# KiCad board USB_panel.kicad_pcb
title: ULX3S USB extension; date: 2023-08-24; rev: V1.1; company: Intergalaktik d.o.o.
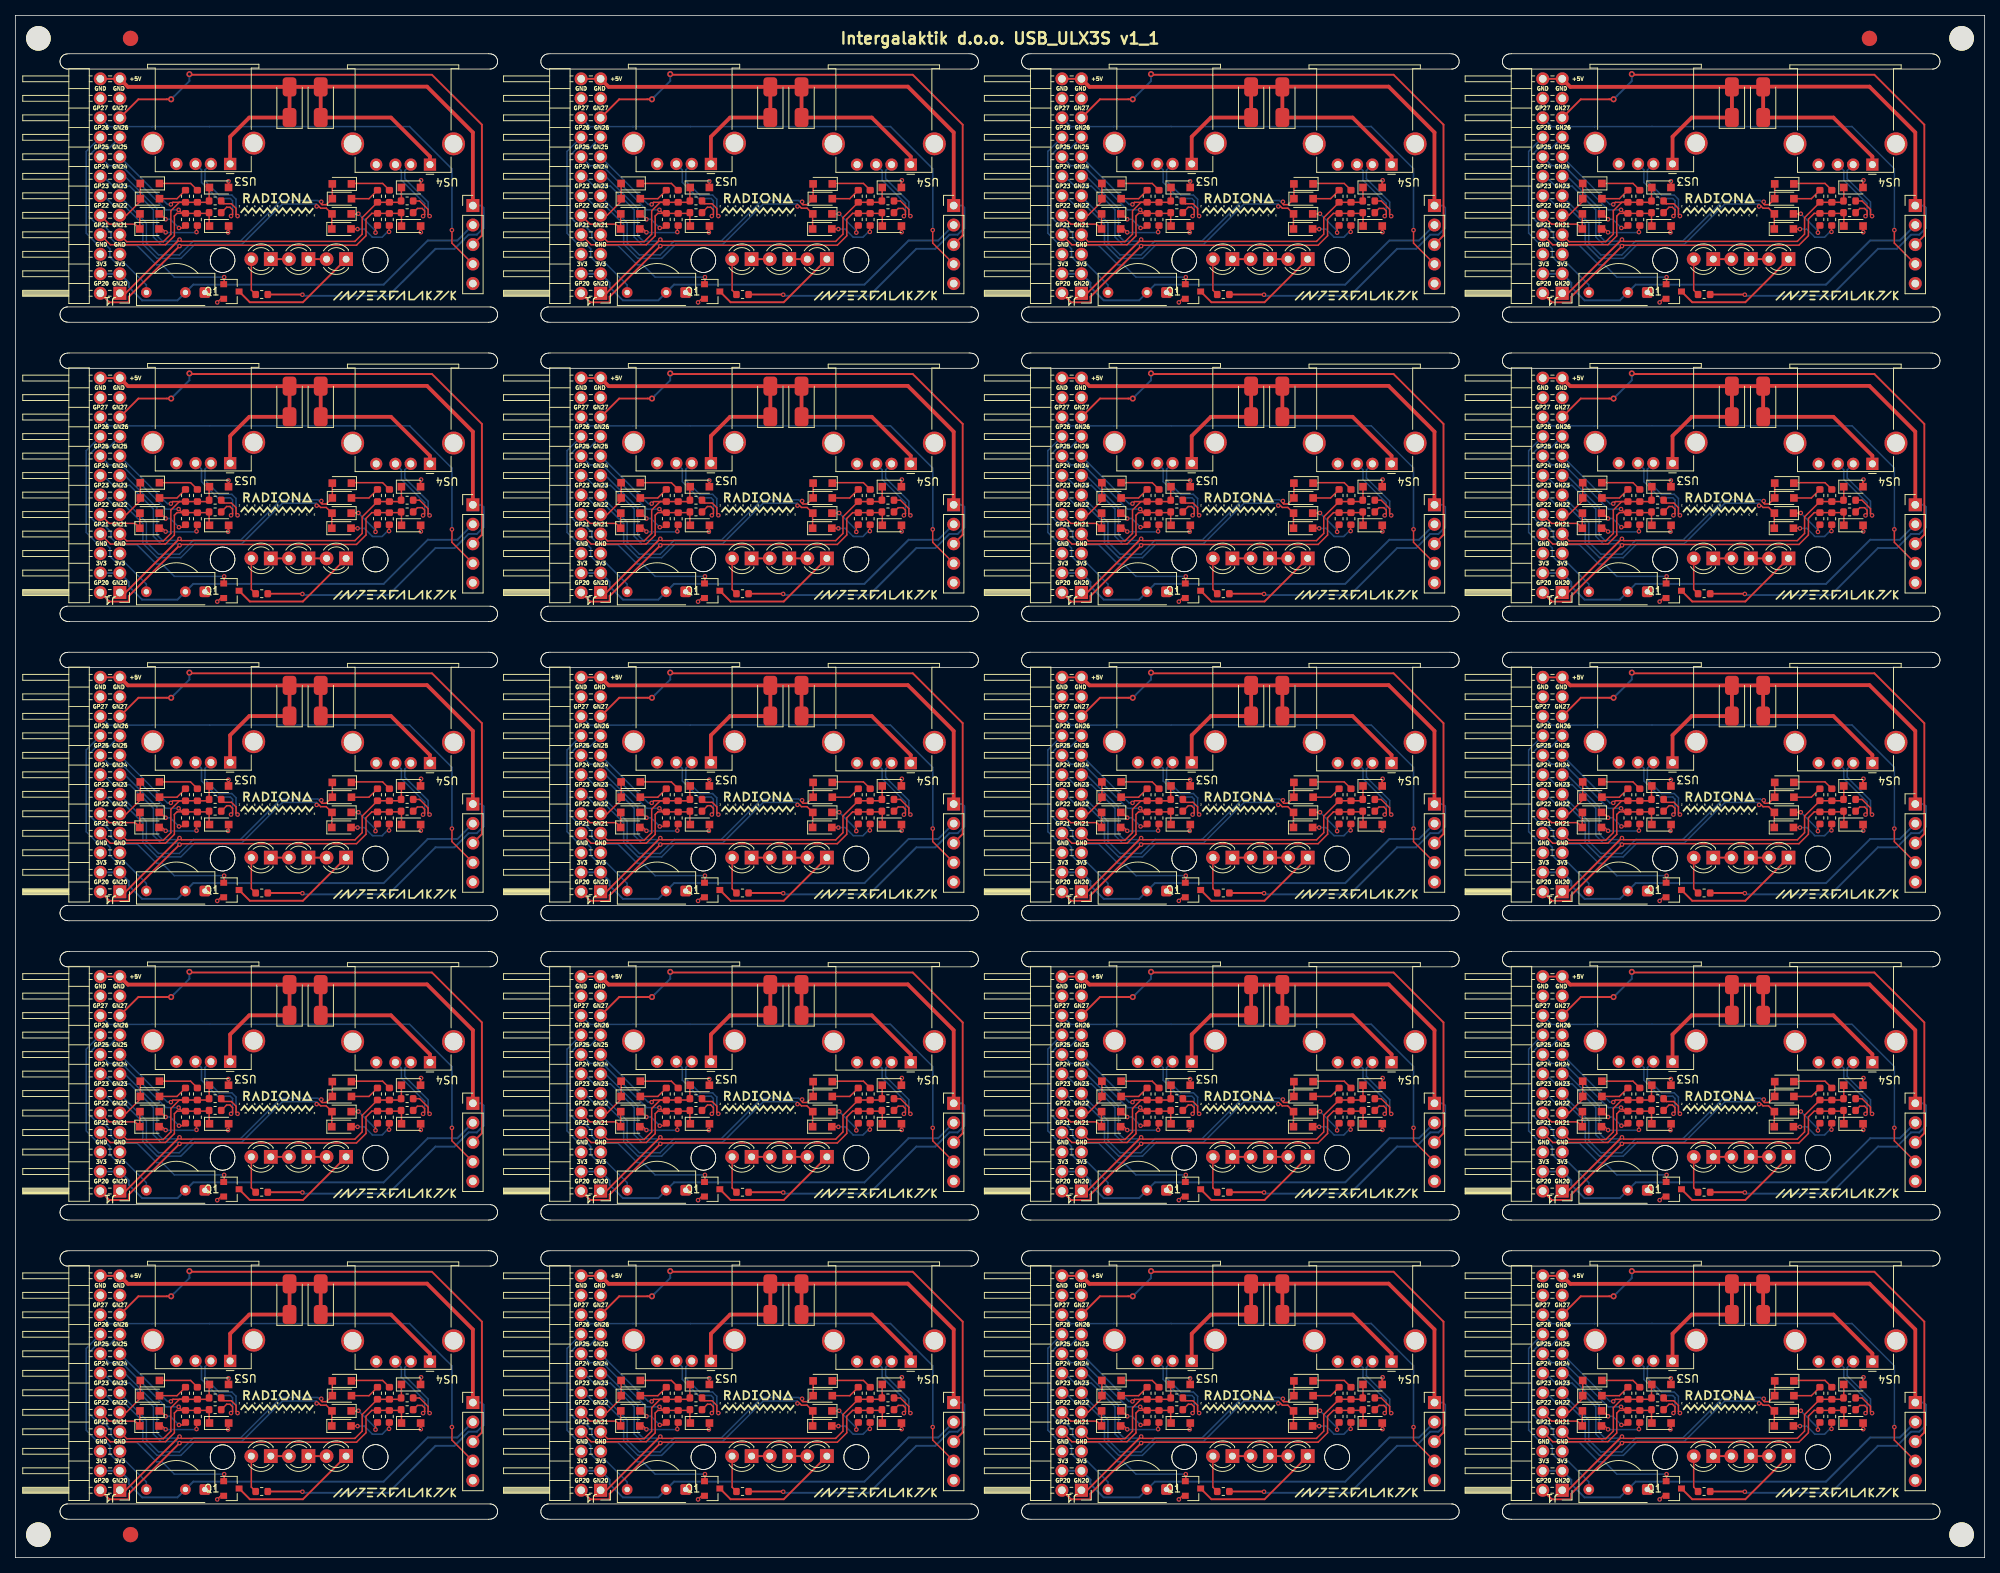
[diagram p0: board, top side]
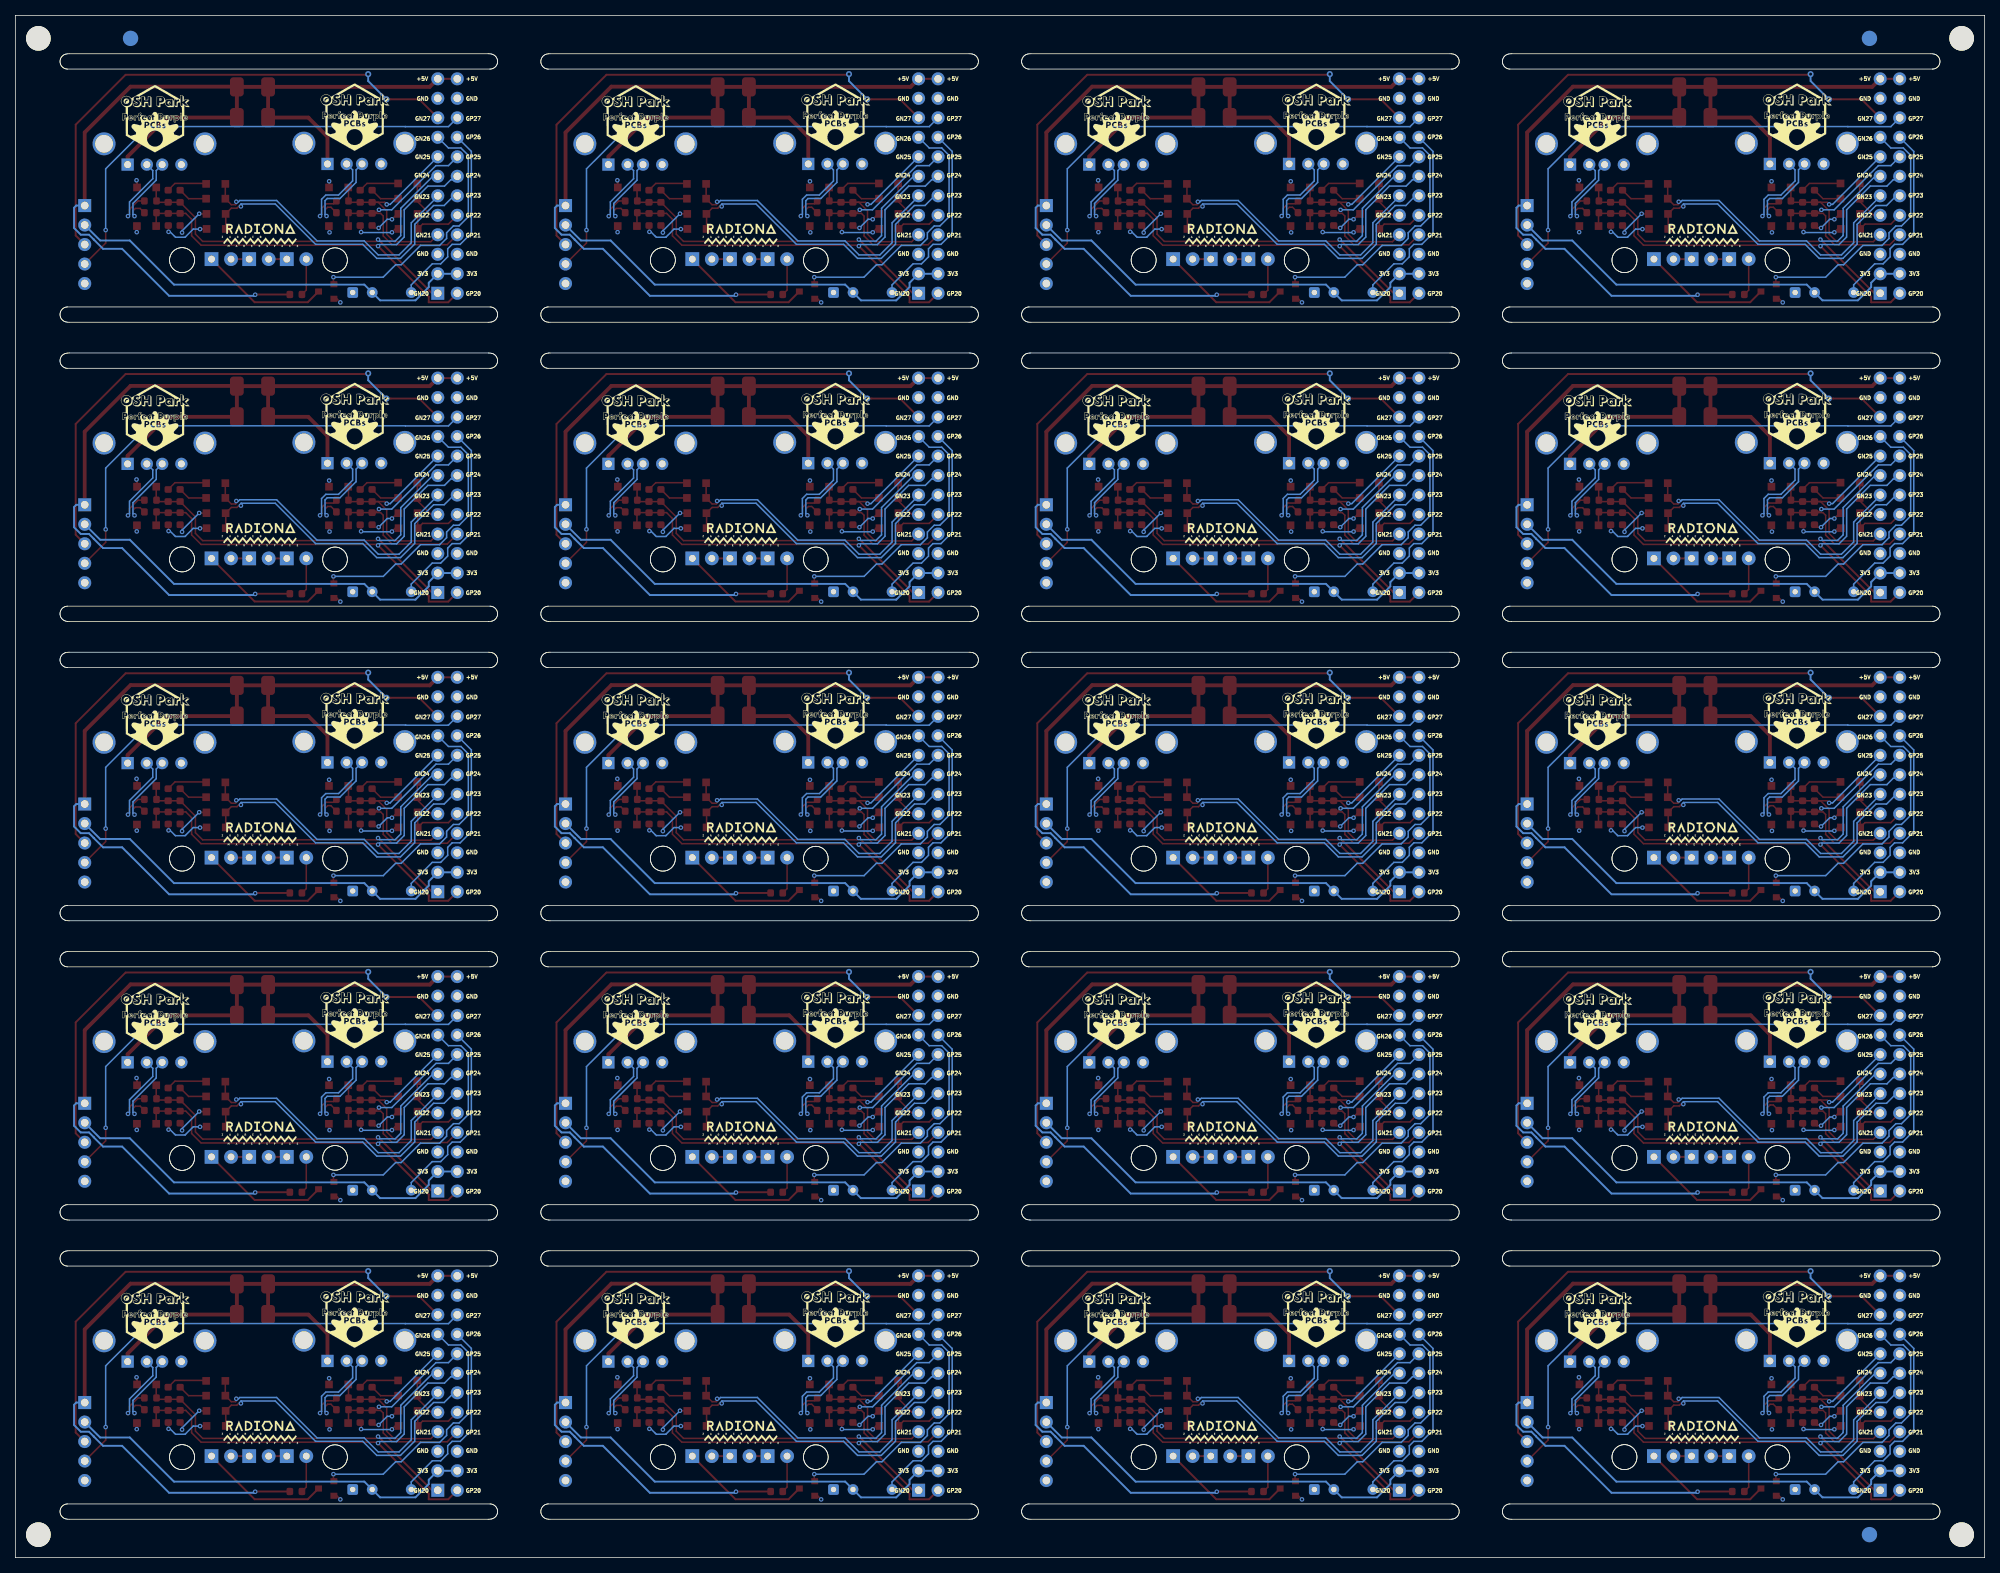
[diagram p1: board, bottom side, seen from below]

Outline 256.44 x 200.94 mm; copper layers: Top, In1.Cu, In2.Cu, Bottom. Coordinates in mm from the lower left corner of the outline.
Stack: Top 0.035mm / dielectric 0.1mm FR4 er 4.5 / In1.Cu 0.035mm / dielectric 1.24mm FR4 er 4.5 / In2.Cu 0.035mm / dielectric 0.1mm FR4 er 4.5 / Bottom 0.035mm

## Placement (name value [footprint] x y rotation side)
D1  1N914  [D_SOD-323_HandSoldering]  205.31 175.07 180 top
D1#2  1N914  [D_SOD-323_HandSoldering]  80.09 175.07 180 top
D1#3  1N914  [D_SOD-323_HandSoldering]  205.31 136.08 180 top
D1#4  1N914  [D_SOD-323_HandSoldering]  80.09 136.08 180 top
D1#5  1N914  [D_SOD-323_HandSoldering]  80.09 97.1 180 top
D1#6  1N914  [D_SOD-323_HandSoldering]  142.7 97.1 180 top
D1#7  1N914  [D_SOD-323_HandSoldering]  205.31 19.12 180 top
D1#8  1N914  [D_SOD-323_HandSoldering]  205.31 58.11 180 top
D1#9  1N914  [D_SOD-323_HandSoldering]  142.7 19.12 180 top
D1#10  1N914  [D_SOD-323_HandSoldering]  142.7 175.07 180 top
D1#11  1N914  [D_SOD-323_HandSoldering]  17.48 19.12 180 top
D1#12  1N914  [D_SOD-323_HandSoldering]  17.48 136.08 180 top
D1#13  1N914  [D_SOD-323_HandSoldering]  142.7 136.08 180 top
D1#14  1N914  [D_SOD-323_HandSoldering]  17.48 58.11 180 top
D1#15  1N914  [D_SOD-323_HandSoldering]  17.48 175.07 180 top
D1#16  1N914  [D_SOD-323_HandSoldering]  205.31 97.1 180 top
D1#17  1N914  [D_SOD-323_HandSoldering]  17.48 97.1 180 top
D1#18  1N914  [D_SOD-323_HandSoldering]  80.09 19.12 180 top
D1#19  1N914  [D_SOD-323_HandSoldering]  80.09 58.11 180 top
D1#20  1N914  [D_SOD-323_HandSoldering]  142.7 58.11 180 top
D2  1N914  [D_SOD-323_HandSoldering]  205.29 173.11 0 top
D2#2  1N914  [D_SOD-323_HandSoldering]  142.68 95.14 0 top
D2#3  1N914  [D_SOD-323_HandSoldering]  142.68 173.11 0 top
D2#4  1N914  [D_SOD-323_HandSoldering]  205.29 95.14 0 top
D2#5  1N914  [D_SOD-323_HandSoldering]  142.68 17.16 0 top
D2#6  1N914  [D_SOD-323_HandSoldering]  80.07 56.15 0 top
D2#7  1N914  [D_SOD-323_HandSoldering]  80.07 173.11 0 top
D2#8  1N914  [D_SOD-323_HandSoldering]  80.07 17.16 0 top
D2#9  1N914  [D_SOD-323_HandSoldering]  142.68 56.15 0 top
D2#10  1N914  [D_SOD-323_HandSoldering]  17.46 134.12 0 top
D2#11  1N914  [D_SOD-323_HandSoldering]  17.46 17.16 0 top
D2#12  1N914  [D_SOD-323_HandSoldering]  17.46 95.14 0 top
D2#13  1N914  [D_SOD-323_HandSoldering]  17.46 56.15 0 top
D2#14  1N914  [D_SOD-323_HandSoldering]  142.68 134.12 0 top
D2#15  1N914  [D_SOD-323_HandSoldering]  205.29 17.16 0 top
D2#16  1N914  [D_SOD-323_HandSoldering]  80.07 134.12 0 top
D2#17  1N914  [D_SOD-323_HandSoldering]  80.07 95.14 0 top
D2#18  1N914  [D_SOD-323_HandSoldering]  205.29 56.15 0 top
D2#19  1N914  [D_SOD-323_HandSoldering]  205.29 134.12 0 top
D2#20  1N914  [D_SOD-323_HandSoldering]  17.46 173.11 0 top
D3  1N914  [D_SOD-323_HandSoldering]  17.52 101.07 180 top
D3#2  1N914  [D_SOD-323_HandSoldering]  17.52 23.09 180 top
D3#3  1N914  [D_SOD-323_HandSoldering]  142.74 140.05 180 top
D3#4  1N914  [D_SOD-323_HandSoldering]  17.52 140.05 180 top
D3#5  1N914  [D_SOD-323_HandSoldering]  80.13 62.08 180 top
D3#6  1N914  [D_SOD-323_HandSoldering]  17.52 179.04 180 top
D3#7  1N914  [D_SOD-323_HandSoldering]  205.35 140.05 180 top
D3#8  1N914  [D_SOD-323_HandSoldering]  80.13 179.04 180 top
D3#9  1N914  [D_SOD-323_HandSoldering]  142.74 101.07 180 top
D3#10  1N914  [D_SOD-323_HandSoldering]  142.74 23.09 180 top
D3#11  1N914  [D_SOD-323_HandSoldering]  142.74 179.04 180 top
D3#12  1N914  [D_SOD-323_HandSoldering]  205.35 62.08 180 top
D3#13  1N914  [D_SOD-323_HandSoldering]  80.13 140.05 180 top
D3#14  1N914  [D_SOD-323_HandSoldering]  205.35 101.07 180 top
D3#15  1N914  [D_SOD-323_HandSoldering]  142.74 62.08 180 top
D3#16  1N914  [D_SOD-323_HandSoldering]  205.35 179.04 180 top
D3#17  1N914  [D_SOD-323_HandSoldering]  205.35 23.09 180 top
D3#18  1N914  [D_SOD-323_HandSoldering]  80.13 101.07 180 top
D3#19  1N914  [D_SOD-323_HandSoldering]  17.52 62.08 180 top
D3#20  1N914  [D_SOD-323_HandSoldering]  80.13 23.09 180 top
D4  1N914  [D_SOD-323_HandSoldering]  80.13 21.1 0 top
D4#2  1N914  [D_SOD-323_HandSoldering]  205.35 60.09 0 top
D4#3  1N914  [D_SOD-323_HandSoldering]  205.35 177.05 0 top
D4#4  1N914  [D_SOD-323_HandSoldering]  17.52 60.09 0 top
D4#5  1N914  [D_SOD-323_HandSoldering]  205.35 138.06 0 top
D4#6  1N914  [D_SOD-323_HandSoldering]  142.74 177.05 0 top
D4#7  1N914  [D_SOD-323_HandSoldering]  205.35 21.1 0 top
D4#8  1N914  [D_SOD-323_HandSoldering]  142.74 21.1 0 top
D4#9  1N914  [D_SOD-323_HandSoldering]  17.52 138.06 0 top
D4#10  1N914  [D_SOD-323_HandSoldering]  142.74 99.08 0 top
D4#11  1N914  [D_SOD-323_HandSoldering]  205.35 99.08 0 top
D4#12  1N914  [D_SOD-323_HandSoldering]  142.74 138.06 0 top
D4#13  1N914  [D_SOD-323_HandSoldering]  17.52 99.08 0 top
D4#14  1N914  [D_SOD-323_HandSoldering]  80.13 177.05 0 top
D4#15  1N914  [D_SOD-323_HandSoldering]  17.52 177.05 0 top
D4#16  1N914  [D_SOD-323_HandSoldering]  80.13 99.08 0 top
D4#17  1N914  [D_SOD-323_HandSoldering]  142.74 60.09 0 top
D4#18  1N914  [D_SOD-323_HandSoldering]  80.13 138.06 0 top
D4#19  1N914  [D_SOD-323_HandSoldering]  17.52 21.1 0 top
D4#20  1N914  [D_SOD-323_HandSoldering]  80.13 60.09 0 top
D5  3.6V  [D_SOD-323_HandSoldering]  26.53 95.51 0 top
D5#2  3.6V  [D_SOD-323_HandSoldering]  151.75 56.53 0 top
D5#3  3.6V  [D_SOD-323_HandSoldering]  26.53 134.5 0 top
D5#4  3.6V  [D_SOD-323_HandSoldering]  214.36 134.5 0 top
D5#5  3.6V  [D_SOD-323_HandSoldering]  151.75 173.49 0 top
D5#6  3.6V  [D_SOD-323_HandSoldering]  89.14 56.53 0 top
D5#7  3.6V  [D_SOD-323_HandSoldering]  151.75 134.5 0 top
D5#8  3.6V  [D_SOD-323_HandSoldering]  26.53 173.49 0 top
D5#9  3.6V  [D_SOD-323_HandSoldering]  214.36 173.49 0 top
D5#10  3.6V  [D_SOD-323_HandSoldering]  89.14 134.5 0 top
D5#11  3.6V  [D_SOD-323_HandSoldering]  89.14 95.51 0 top
D5#12  3.6V  [D_SOD-323_HandSoldering]  89.14 17.54 0 top
D5#13  3.6V  [D_SOD-323_HandSoldering]  151.75 95.51 0 top
D5#14  3.6V  [D_SOD-323_HandSoldering]  214.36 95.51 0 top
D5#15  3.6V  [D_SOD-323_HandSoldering]  214.36 56.53 0 top
D5#16  3.6V  [D_SOD-323_HandSoldering]  151.75 17.54 0 top
D5#17  3.6V  [D_SOD-323_HandSoldering]  26.53 17.54 0 top
D5#18  3.6V  [D_SOD-323_HandSoldering]  26.53 56.53 0 top
D5#19  3.6V  [D_SOD-323_HandSoldering]  89.14 173.49 0 top
D5#20  3.6V  [D_SOD-323_HandSoldering]  214.36 17.54 0 top
D6  0  [D_SMA_Jumper_NC]  223.53 189.62 90 top
D6#2  0  [D_SMA_Jumper_NC]  35.7 111.65 90 top
D6#3  0  [D_SMA_Jumper_NC]  98.31 72.66 90 top
D6#4  0  [D_SMA_Jumper_NC]  35.7 150.63 90 top
D6#5  0  [D_SMA_Jumper_NC]  160.92 150.63 90 top
D6#6  0  [D_SMA_Jumper_NC]  160.92 33.67 90 top
D6#7  0  [D_SMA_Jumper_NC]  223.53 72.66 90 top
D6#8  0  [D_SMA_Jumper_NC]  223.53 33.67 90 top
D6#9  0  [D_SMA_Jumper_NC]  35.7 33.67 90 top
D6#10  0  [D_SMA_Jumper_NC]  98.31 33.67 90 top
D6#11  0  [D_SMA_Jumper_NC]  35.7 189.62 90 top
D6#12  0  [D_SMA_Jumper_NC]  98.31 150.63 90 top
D6#13  0  [D_SMA_Jumper_NC]  98.31 189.62 90 top
D6#14  0  [D_SMA_Jumper_NC]  160.92 72.66 90 top
D6#15  0  [D_SMA_Jumper_NC]  223.53 150.63 90 top
D6#16  0  [D_SMA_Jumper_NC]  160.92 189.62 90 top
D6#17  0  [D_SMA_Jumper_NC]  160.92 111.65 90 top
D6#18  0  [D_SMA_Jumper_NC]  98.31 111.65 90 top
D6#19  0  [D_SMA_Jumper_NC]  223.53 111.65 90 top
D6#20  0  [D_SMA_Jumper_NC]  35.7 72.66 90 top
D7  3.6V  [D_SOD-323_HandSoldering]  214.34 22.56 0 top
D7#2  3.6V  [D_SOD-323_HandSoldering]  26.51 139.53 0 top
D7#3  3.6V  [D_SOD-323_HandSoldering]  214.34 100.54 0 top
D7#4  3.6V  [D_SOD-323_HandSoldering]  151.74 61.55 0 top
D7#5  3.6V  [D_SOD-323_HandSoldering]  89.12 22.56 0 top
D7#6  3.6V  [D_SOD-323_HandSoldering]  151.74 139.53 0 top
D7#7  3.6V  [D_SOD-323_HandSoldering]  89.12 100.54 0 top
D7#8  3.6V  [D_SOD-323_HandSoldering]  89.12 139.53 0 top
D7#9  3.6V  [D_SOD-323_HandSoldering]  151.74 100.54 0 top
D7#10  3.6V  [D_SOD-323_HandSoldering]  151.74 178.52 0 top
D7#11  3.6V  [D_SOD-323_HandSoldering]  214.34 178.52 0 top
D7#12  3.6V  [D_SOD-323_HandSoldering]  89.12 178.52 0 top
D7#13  3.6V  [D_SOD-323_HandSoldering]  214.34 61.55 0 top
D7#14  3.6V  [D_SOD-323_HandSoldering]  26.51 100.54 0 top
D7#15  3.6V  [D_SOD-323_HandSoldering]  26.51 61.55 0 top
D7#16  3.6V  [D_SOD-323_HandSoldering]  26.51 22.56 0 top
D7#17  3.6V  [D_SOD-323_HandSoldering]  214.34 139.53 0 top
D7#18  3.6V  [D_SOD-323_HandSoldering]  151.74 22.56 0 top
D7#19  3.6V  [D_SOD-323_HandSoldering]  26.51 178.52 0 top
D7#20  3.6V  [D_SOD-323_HandSoldering]  89.12 61.55 0 top
D8  1N914  [D_SOD-323_HandSoldering]  105.09 58.11 180 top
D8#2  1N914  [D_SOD-323_HandSoldering]  105.09 175.07 180 top
D8#3  1N914  [D_SOD-323_HandSoldering]  230.31 19.12 180 top
D8#4  1N914  [D_SOD-323_HandSoldering]  42.48 97.1 180 top
D8#5  1N914  [D_SOD-323_HandSoldering]  42.48 175.07 180 top
D8#6  1N914  [D_SOD-323_HandSoldering]  167.7 97.1 180 top
D8#7  1N914  [D_SOD-323_HandSoldering]  42.48 136.08 180 top
D8#8  1N914  [D_SOD-323_HandSoldering]  230.31 136.08 180 top
D8#9  1N914  [D_SOD-323_HandSoldering]  105.09 19.12 180 top
D8#10  1N914  [D_SOD-323_HandSoldering]  230.31 97.1 180 top
D8#11  1N914  [D_SOD-323_HandSoldering]  167.7 19.12 180 top
D8#12  1N914  [D_SOD-323_HandSoldering]  167.7 58.11 180 top
D8#13  1N914  [D_SOD-323_HandSoldering]  167.7 175.07 180 top
D8#14  1N914  [D_SOD-323_HandSoldering]  105.09 97.1 180 top
D8#15  1N914  [D_SOD-323_HandSoldering]  230.31 58.11 180 top
D8#16  1N914  [D_SOD-323_HandSoldering]  42.48 58.11 180 top
D8#17  1N914  [D_SOD-323_HandSoldering]  230.31 175.07 180 top
D8#18  1N914  [D_SOD-323_HandSoldering]  42.48 19.12 180 top
D8#19  1N914  [D_SOD-323_HandSoldering]  167.7 136.08 180 top
D8#20  1N914  [D_SOD-323_HandSoldering]  105.09 136.08 180 top
D9  1N914  [D_SOD-323_HandSoldering]  167.68 134.12 0 top
D9#2  1N914  [D_SOD-323_HandSoldering]  42.46 173.11 0 top
D9#3  1N914  [D_SOD-323_HandSoldering]  42.46 95.14 0 top
D9#4  1N914  [D_SOD-323_HandSoldering]  105.07 56.15 0 top
D9#5  1N914  [D_SOD-323_HandSoldering]  167.68 95.14 0 top
D9#6  1N914  [D_SOD-323_HandSoldering]  42.46 17.16 0 top
D9#7  1N914  [D_SOD-323_HandSoldering]  105.07 17.16 0 top
D9#8  1N914  [D_SOD-323_HandSoldering]  105.07 134.12 0 top
D9#9  1N914  [D_SOD-323_HandSoldering]  105.07 95.14 0 top
D9#10  1N914  [D_SOD-323_HandSoldering]  230.29 173.11 0 top
D9#11  1N914  [D_SOD-323_HandSoldering]  42.46 56.15 0 top
D9#12  1N914  [D_SOD-323_HandSoldering]  167.68 17.16 0 top
D9#13  1N914  [D_SOD-323_HandSoldering]  230.29 134.12 0 top
D9#14  1N914  [D_SOD-323_HandSoldering]  167.68 173.11 0 top
D9#15  1N914  [D_SOD-323_HandSoldering]  230.29 17.16 0 top
D9#16  1N914  [D_SOD-323_HandSoldering]  230.29 95.14 0 top
D9#17  1N914  [D_SOD-323_HandSoldering]  230.29 56.15 0 top
D9#18  1N914  [D_SOD-323_HandSoldering]  105.07 173.11 0 top
D9#19  1N914  [D_SOD-323_HandSoldering]  167.68 56.15 0 top
D9#20  1N914  [D_SOD-323_HandSoldering]  42.46 134.12 0 top
D10  1N914  [D_SOD-323_HandSoldering]  167.74 23.03 180 top
D10#2  1N914  [D_SOD-323_HandSoldering]  230.35 178.98 180 top
D10#3  1N914  [D_SOD-323_HandSoldering]  105.13 178.98 180 top
D10#4  1N914  [D_SOD-323_HandSoldering]  230.35 101.01 180 top
D10#5  1N914  [D_SOD-323_HandSoldering]  42.52 101.01 180 top
D10#6  1N914  [D_SOD-323_HandSoldering]  105.13 23.03 180 top
D10#7  1N914  [D_SOD-323_HandSoldering]  230.35 139.99 180 top
D10#8  1N914  [D_SOD-323_HandSoldering]  42.52 62.02 180 top
D10#9  1N914  [D_SOD-323_HandSoldering]  167.74 62.02 180 top
D10#10  1N914  [D_SOD-323_HandSoldering]  105.13 101.01 180 top
D10#11  1N914  [D_SOD-323_HandSoldering]  230.35 62.02 180 top
D10#12  1N914  [D_SOD-323_HandSoldering]  42.52 23.03 180 top
D10#13  1N914  [D_SOD-323_HandSoldering]  167.74 139.99 180 top
D10#14  1N914  [D_SOD-323_HandSoldering]  167.74 178.98 180 top
D10#15  1N914  [D_SOD-323_HandSoldering]  42.52 139.99 180 top
D10#16  1N914  [D_SOD-323_HandSoldering]  105.13 139.99 180 top
D10#17  1N914  [D_SOD-323_HandSoldering]  42.52 178.98 180 top
D10#18  1N914  [D_SOD-323_HandSoldering]  105.13 62.02 180 top
D10#19  1N914  [D_SOD-323_HandSoldering]  230.35 23.03 180 top
D10#20  1N914  [D_SOD-323_HandSoldering]  167.74 101.01 180 top
D11  1N914  [D_SOD-323_HandSoldering]  42.52 138.06 0 top
D11#2  1N914  [D_SOD-323_HandSoldering]  105.13 60.09 0 top
D11#3  1N914  [D_SOD-323_HandSoldering]  230.35 21.1 0 top
D11#4  1N914  [D_SOD-323_HandSoldering]  42.52 99.08 0 top
D11#5  1N914  [D_SOD-323_HandSoldering]  230.35 138.06 0 top
D11#6  1N914  [D_SOD-323_HandSoldering]  167.74 60.09 0 top
D11#7  1N914  [D_SOD-323_HandSoldering]  230.35 177.05 0 top
D11#8  1N914  [D_SOD-323_HandSoldering]  105.13 21.1 0 top
D11#9  1N914  [D_SOD-323_HandSoldering]  105.13 177.05 0 top
D11#10  1N914  [D_SOD-323_HandSoldering]  167.74 21.1 0 top
D11#11  1N914  [D_SOD-323_HandSoldering]  105.13 138.06 0 top
D11#12  1N914  [D_SOD-323_HandSoldering]  42.52 21.1 0 top
D11#13  1N914  [D_SOD-323_HandSoldering]  167.74 138.06 0 top
D11#14  1N914  [D_SOD-323_HandSoldering]  167.74 177.05 0 top
D11#15  1N914  [D_SOD-323_HandSoldering]  230.35 60.09 0 top
D11#16  1N914  [D_SOD-323_HandSoldering]  167.74 99.08 0 top
D11#17  1N914  [D_SOD-323_HandSoldering]  230.35 99.08 0 top
D11#18  1N914  [D_SOD-323_HandSoldering]  42.52 177.05 0 top
D11#19  1N914  [D_SOD-323_HandSoldering]  105.13 99.08 0 top
D11#20  1N914  [D_SOD-323_HandSoldering]  42.52 60.09 0 top
D12  3.6V  [D_SOD-323_HandSoldering]  51.53 134.5 0 top
D12#2  3.6V  [D_SOD-323_HandSoldering]  239.36 56.53 0 top
D12#3  3.6V  [D_SOD-323_HandSoldering]  114.14 173.49 0 top
D12#4  3.6V  [D_SOD-323_HandSoldering]  51.53 173.49 0 top
D12#5  3.6V  [D_SOD-323_HandSoldering]  51.53 56.53 0 top
D12#6  3.6V  [D_SOD-323_HandSoldering]  239.36 17.54 0 top
D12#7  3.6V  [D_SOD-323_HandSoldering]  239.36 134.5 0 top
D12#8  3.6V  [D_SOD-323_HandSoldering]  176.75 173.49 0 top
D12#9  3.6V  [D_SOD-323_HandSoldering]  51.53 95.51 0 top
D12#10  3.6V  [D_SOD-323_HandSoldering]  176.75 56.53 0 top
D12#11  3.6V  [D_SOD-323_HandSoldering]  51.53 17.54 0 top
D12#12  3.6V  [D_SOD-323_HandSoldering]  176.75 95.51 0 top
D12#13  3.6V  [D_SOD-323_HandSoldering]  114.14 95.51 0 top
D12#14  3.6V  [D_SOD-323_HandSoldering]  239.36 173.49 0 top
D12#15  3.6V  [D_SOD-323_HandSoldering]  114.14 56.53 0 top
D12#16  3.6V  [D_SOD-323_HandSoldering]  176.75 17.54 0 top
D12#17  3.6V  [D_SOD-323_HandSoldering]  176.75 134.5 0 top
D12#18  3.6V  [D_SOD-323_HandSoldering]  114.14 17.54 0 top
D12#19  3.6V  [D_SOD-323_HandSoldering]  114.14 134.5 0 top
D12#20  3.6V  [D_SOD-323_HandSoldering]  239.36 95.51 0 top
D13  0  [D_SMA_Jumper_NC]  102.38 111.65 90 top
D13#2  0  [D_SMA_Jumper_NC]  227.6 111.65 90 top
D13#3  0  [D_SMA_Jumper_NC]  102.38 189.62 90 top
D13#4  0  [D_SMA_Jumper_NC]  39.77 150.63 90 top
D13#5  0  [D_SMA_Jumper_NC]  102.38 150.63 90 top
D13#6  0  [D_SMA_Jumper_NC]  227.6 189.62 90 top
D13#7  0  [D_SMA_Jumper_NC]  102.38 33.67 90 top
D13#8  0  [D_SMA_Jumper_NC]  164.99 189.62 90 top
D13#9  0  [D_SMA_Jumper_NC]  164.99 33.67 90 top
D13#10  0  [D_SMA_Jumper_NC]  164.99 111.65 90 top
D13#11  0  [D_SMA_Jumper_NC]  227.6 33.67 90 top
D13#12  0  [D_SMA_Jumper_NC]  39.77 72.66 90 top
D13#13  0  [D_SMA_Jumper_NC]  227.6 72.66 90 top
D13#14  0  [D_SMA_Jumper_NC]  102.38 72.66 90 top
D13#15  0  [D_SMA_Jumper_NC]  164.99 72.66 90 top
D13#16  0  [D_SMA_Jumper_NC]  39.77 111.65 90 top
D13#17  0  [D_SMA_Jumper_NC]  164.99 150.63 90 top
D13#18  0  [D_SMA_Jumper_NC]  227.6 150.63 90 top
D13#19  0  [D_SMA_Jumper_NC]  39.77 33.67 90 top
D13#20  0  [D_SMA_Jumper_NC]  39.77 189.62 90 top
D14  3.6V  [D_SOD-323_HandSoldering]  176.74 61.55 0 top
D14#2  3.6V  [D_SOD-323_HandSoldering]  176.74 178.52 0 top
D14#3  3.6V  [D_SOD-323_HandSoldering]  114.12 100.54 0 top
D14#4  3.6V  [D_SOD-323_HandSoldering]  114.12 178.52 0 top
D14#5  3.6V  [D_SOD-323_HandSoldering]  114.12 61.55 0 top
D14#6  3.6V  [D_SOD-323_HandSoldering]  51.52 100.54 0 top
D14#7  3.6V  [D_SOD-323_HandSoldering]  176.74 139.53 0 top
D14#8  3.6V  [D_SOD-323_HandSoldering]  114.12 139.53 0 top
D14#9  3.6V  [D_SOD-323_HandSoldering]  176.74 100.54 0 top
D14#10  3.6V  [D_SOD-323_HandSoldering]  239.34 178.52 0 top
D14#11  3.6V  [D_SOD-323_HandSoldering]  51.52 139.53 0 top
D14#12  3.6V  [D_SOD-323_HandSoldering]  51.52 22.56 0 top
D14#13  3.6V  [D_SOD-323_HandSoldering]  114.12 22.56 0 top
D14#14  3.6V  [D_SOD-323_HandSoldering]  51.52 178.52 0 top
D14#15  3.6V  [D_SOD-323_HandSoldering]  239.34 139.53 0 top
D14#16  3.6V  [D_SOD-323_HandSoldering]  51.52 61.55 0 top
D14#17  3.6V  [D_SOD-323_HandSoldering]  176.74 22.56 0 top
D14#18  3.6V  [D_SOD-323_HandSoldering]  239.34 61.55 0 top
D14#19  3.6V  [D_SOD-323_HandSoldering]  239.34 100.54 0 top
D14#20  3.6V  [D_SOD-323_HandSoldering]  239.34 22.56 0 top
D15  LED  [LED_D3.0mm_IRBlack]  33.27 13.23 180 top
D15#2  LED  [LED_D3.0mm_IRBlack]  221.1 52.22 180 top
D15#3  LED  [LED_D3.0mm_IRBlack]  33.27 52.22 180 top
D15#4  LED  [LED_D3.0mm_IRBlack]  221.1 13.23 180 top
D15#5  LED  [LED_D3.0mm_IRBlack]  33.27 130.19 180 top
D15#6  LED  [LED_D3.0mm_IRBlack]  95.88 169.18 180 top
D15#7  LED  [LED_D3.0mm_IRBlack]  158.49 13.23 180 top
D15#8  LED  [LED_D3.0mm_IRBlack]  158.49 169.18 180 top
D15#9  LED  [LED_D3.0mm_IRBlack]  95.88 130.19 180 top
D15#10  LED  [LED_D3.0mm_IRBlack]  221.1 169.18 180 top
D15#11  LED  [LED_D3.0mm_IRBlack]  33.27 169.18 180 top
D15#12  LED  [LED_D3.0mm_IRBlack]  158.49 52.22 180 top
D15#13  LED  [LED_D3.0mm_IRBlack]  95.88 91.2 180 top
D15#14  LED  [LED_D3.0mm_IRBlack]  158.49 91.2 180 top
D15#15  LED  [LED_D3.0mm_IRBlack]  95.88 13.23 180 top
D15#16  LED  [LED_D3.0mm_IRBlack]  158.49 130.19 180 top
D15#17  LED  [LED_D3.0mm_IRBlack]  33.27 91.2 180 top
D15#18  LED  [LED_D3.0mm_IRBlack]  221.1 130.19 180 top
D15#19  LED  [LED_D3.0mm_IRBlack]  95.88 52.22 180 top
D15#20  LED  [LED_D3.0mm_IRBlack]  221.1 91.2 180 top
D16  LED  [LED_D3.0mm_IRBlack]  163.39 52.22 180 top
D16#2  LED  [LED_D3.0mm_IRBlack]  226 169.18 180 top
D16#3  LED  [LED_D3.0mm_IRBlack]  163.39 130.19 180 top
D16#4  LED  [LED_D3.0mm_IRBlack]  226 52.22 180 top
D16#5  LED  [LED_D3.0mm_IRBlack]  38.17 169.18 180 top
D16#6  LED  [LED_D3.0mm_IRBlack]  226 91.2 180 top
D16#7  LED  [LED_D3.0mm_IRBlack]  100.78 169.18 180 top
D16#8  LED  [LED_D3.0mm_IRBlack]  100.78 130.19 180 top
D16#9  LED  [LED_D3.0mm_IRBlack]  163.39 91.2 180 top
D16#10  LED  [LED_D3.0mm_IRBlack]  163.39 13.23 180 top
D16#11  LED  [LED_D3.0mm_IRBlack]  38.17 130.19 180 top
D16#12  LED  [LED_D3.0mm_IRBlack]  38.17 91.2 180 top
D16#13  LED  [LED_D3.0mm_IRBlack]  163.39 169.18 180 top
D16#14  LED  [LED_D3.0mm_IRBlack]  38.17 52.22 180 top